# KiCad board SparkFun_BlueSMiRF-ESP32_panelized.kicad_pcb (continued)
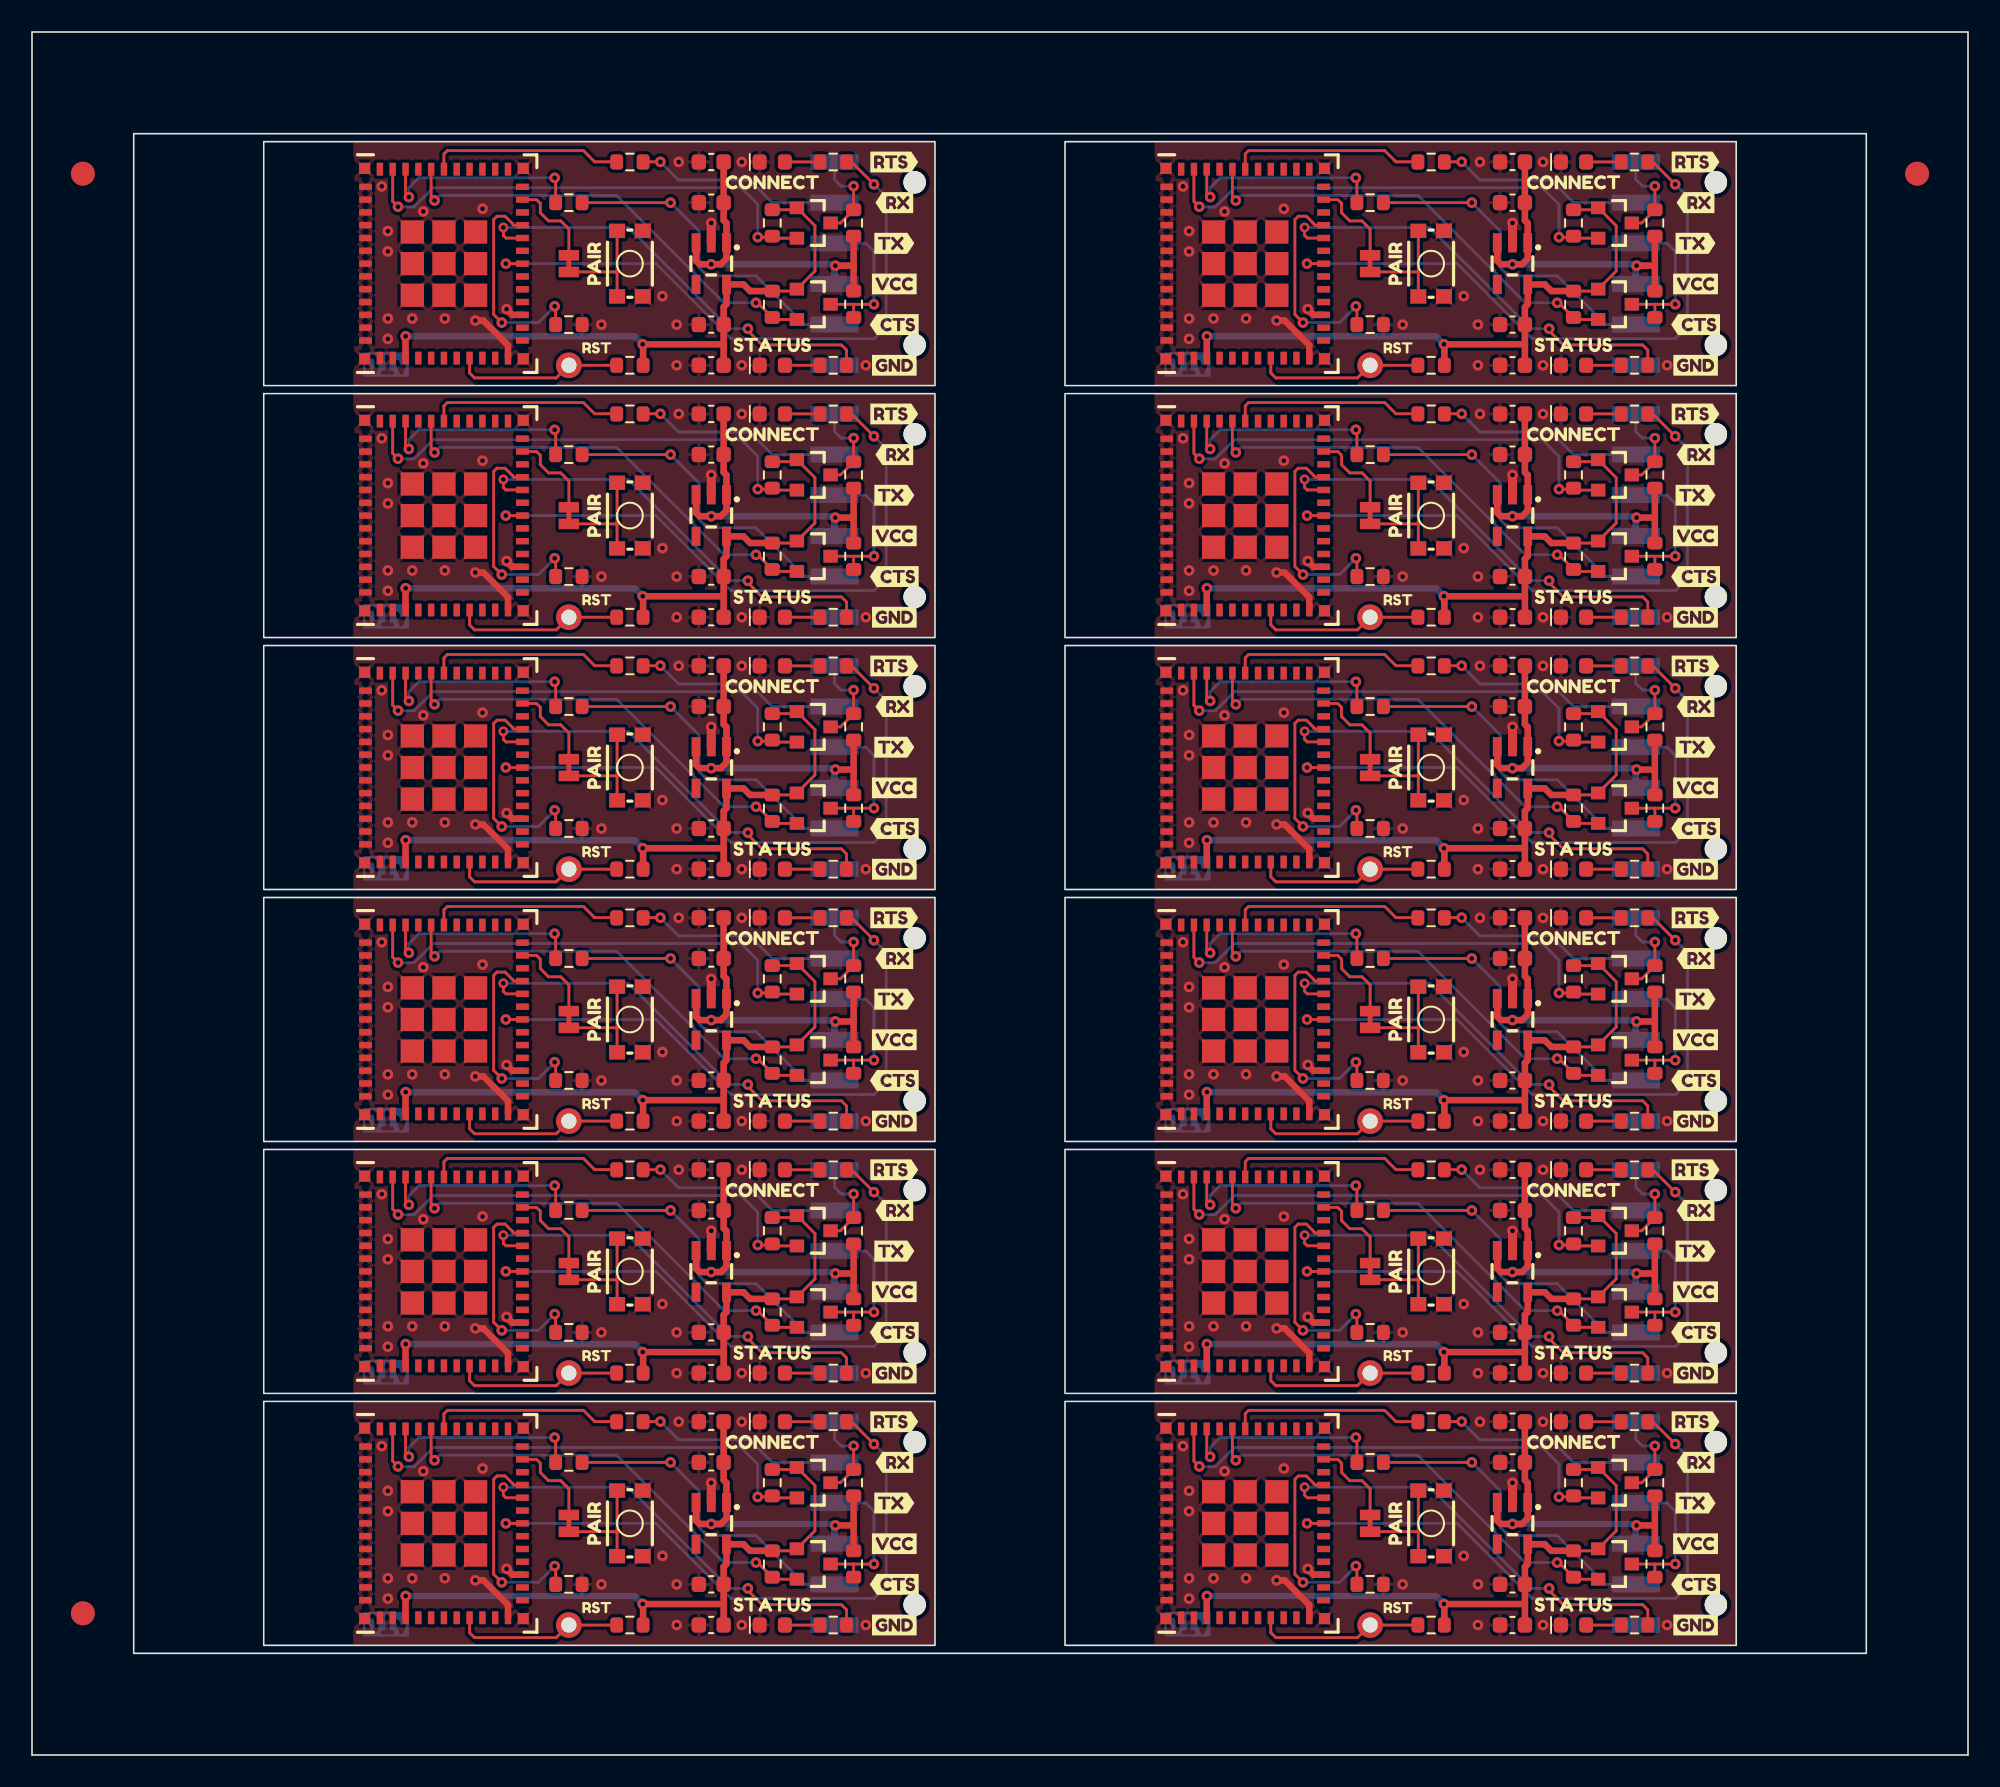
[diagram p0: board, top side]
## Placement (name value [footprint] x y rotation side) (continued)
kibuzzard-64C48496#12  G***  [kibuzzard-64C48496]  53.84 96.98 0 top
kibuzzard-64C48505  G***  [kibuzzard-64C48505]  47.2 15.71 180 bottom
kibuzzard-64C48505#2  G***  [kibuzzard-64C48505]  97.23 31.45 180 bottom
kibuzzard-64C48505#3  G***  [kibuzzard-64C48505]  47.2 47.19 180 bottom
kibuzzard-64C48505#4  G***  [kibuzzard-64C48505]  47.2 78.67 180 bottom
kibuzzard-64C48505#5  G***  [kibuzzard-64C48505]  47.2 31.45 180 bottom
kibuzzard-64C48505#6  G***  [kibuzzard-64C48505]  47.2 62.93 180 bottom
kibuzzard-64C48505#7  G***  [kibuzzard-64C48505]  47.2 94.41 180 bottom
kibuzzard-64C48505#8  G***  [kibuzzard-64C48505]  97.23 15.71 180 bottom
kibuzzard-64C48505#9  G***  [kibuzzard-64C48505]  97.23 78.67 180 bottom
kibuzzard-64C48505#10  G***  [kibuzzard-64C48505]  97.23 94.41 180 bottom
kibuzzard-64C48505#11  G***  [kibuzzard-64C48505]  97.23 47.19 180 bottom
kibuzzard-64C48505#12  G***  [kibuzzard-64C48505]  97.23 62.93 180 bottom
NOREF  -  [Fiducial_1.5mm_Mask3mm]  3.18 8.85 0 top
NOREF#2  -  [Fiducial_1.5mm_Mask3mm]  3.18 98.79 0 top
NOREF#3  -  [Fiducial_1.5mm_Mask3mm]  117.71 98.79 0 top
Q1  Q_NMOS_DGS  [SOT23-3]  48.76 11.93 0 top
Q1#2  Q_NMOS_DGS  [SOT23-3]  98.79 59.15 0 top
Q1#3  Q_NMOS_DGS  [SOT23-3]  48.76 59.15 0 top
Q1#4  Q_NMOS_DGS  [SOT23-3]  98.79 27.67 0 top
Q1#5  Q_NMOS_DGS  [SOT23-3]  98.79 11.93 0 top
Q1#6  Q_NMOS_DGS  [SOT23-3]  48.76 27.67 0 top
Q1#7  Q_NMOS_DGS  [SOT23-3]  48.76 74.89 0 top
Q1#8  Q_NMOS_DGS  [SOT23-3]  98.79 43.41 0 top
Q1#9  Q_NMOS_DGS  [SOT23-3]  98.79 90.63 0 top
Q1#10  Q_NMOS_DGS  [SOT23-3]  48.76 43.41 0 top
Q1#11  Q_NMOS_DGS  [SOT23-3]  48.76 90.63 0 top
Q1#12  Q_NMOS_DGS  [SOT23-3]  98.79 74.89 0 top
Q2  Q_NMOS_DGS  [SOT23-3]  98.79 17.01 0 top
Q2#2  Q_NMOS_DGS  [SOT23-3]  98.79 79.97 0 top
Q2#3  Q_NMOS_DGS  [SOT23-3]  98.79 32.75 0 top
Q2#4  Q_NMOS_DGS  [SOT23-3]  98.79 95.71 0 top
Q2#5  Q_NMOS_DGS  [SOT23-3]  98.79 48.49 0 top
Q2#6  Q_NMOS_DGS  [SOT23-3]  48.76 64.23 0 top
Q2#7  Q_NMOS_DGS  [SOT23-3]  48.76 79.97 0 top
Q2#8  Q_NMOS_DGS  [SOT23-3]  48.76 95.71 0 top
Q2#9  Q_NMOS_DGS  [SOT23-3]  98.79 64.23 0 top
Q2#10  Q_NMOS_DGS  [SOT23-3]  48.76 17.01 0 top
Q2#11  Q_NMOS_DGS  [SOT23-3]  48.76 32.75 0 top
Q2#12  Q_NMOS_DGS  [SOT23-3]  48.76 48.49 0 top
R1  10k  [R_0603_1608Metric]  37.33 8.12 180 top
R1#2  10k  [R_0603_1608Metric]  37.33 39.6 180 top
R1#3  10k  [R_0603_1608Metric]  37.33 71.08 180 top
R1#4  10k  [R_0603_1608Metric]  87.36 8.12 180 top
R1#5  10k  [R_0603_1608Metric]  37.33 55.34 180 top
R1#6  10k  [R_0603_1608Metric]  87.36 23.86 180 top
R1#7  10k  [R_0603_1608Metric]  37.33 23.86 180 top
R1#8  10k  [R_0603_1608Metric]  87.36 39.6 180 top
R1#9  10k  [R_0603_1608Metric]  37.33 86.82 180 top
R1#10  10k  [R_0603_1608Metric]  87.36 55.34 180 top
R1#11  10k  [R_0603_1608Metric]  87.36 86.82 180 top
R1#12  10k  [R_0603_1608Metric]  87.36 71.08 180 top
R2  1k  [R_0603_1608Metric]  100.06 83.78 180 top
R2#2  1k  [R_0603_1608Metric]  50.03 20.82 180 top
R2#3  1k  [R_0603_1608Metric]  100.06 52.3 180 top
R2#4  1k  [R_0603_1608Metric]  50.03 52.3 180 top
R2#5  1k  [R_0603_1608Metric]  50.03 99.52 180 top
R2#6  1k  [R_0603_1608Metric]  100.06 20.82 180 top
R2#7  1k  [R_0603_1608Metric]  100.06 68.04 180 top
R2#8  1k  [R_0603_1608Metric]  50.03 36.56 180 top
R2#9  1k  [R_0603_1608Metric]  100.06 36.56 180 top
R2#10  1k  [R_0603_1608Metric]  50.03 83.78 180 top
R2#11  1k  [R_0603_1608Metric]  100.06 99.52 180 top
R2#12  1k  [R_0603_1608Metric]  50.03 68.04 180 top
R3  1k  [R_0603_1608Metric]  100.06 55.34 180 top
R3#2  1k  [R_0603_1608Metric]  50.03 86.82 180 top
R3#3  1k  [R_0603_1608Metric]  50.03 55.34 180 top
R3#4  1k  [R_0603_1608Metric]  100.06 86.82 180 top
R3#5  1k  [R_0603_1608Metric]  50.03 71.08 180 top
R3#6  1k  [R_0603_1608Metric]  100.06 39.6 180 top
R3#7  1k  [R_0603_1608Metric]  100.06 8.12 180 top
R3#8  1k  [R_0603_1608Metric]  50.03 23.86 180 top
R3#9  1k  [R_0603_1608Metric]  50.03 39.6 180 top
R3#10  1k  [R_0603_1608Metric]  100.06 23.86 180 top
R3#11  1k  [R_0603_1608Metric]  100.06 71.08 180 top
R3#12  1k  [R_0603_1608Metric]  50.03 8.12 180 top
R4  10k  [R_0603_1608Metric]  51.3 11.93 270 top
R4#2  10k  [R_0603_1608Metric]  51.3 59.15 270 top
R4#3  10k  [R_0603_1608Metric]  51.3 27.67 270 top
R4#4  10k  [R_0603_1608Metric]  51.3 43.41 270 top
R4#5  10k  [R_0603_1608Metric]  101.33 43.41 270 top
R4#6  10k  [R_0603_1608Metric]  101.33 11.93 270 top
R4#7  10k  [R_0603_1608Metric]  101.33 90.63 270 top
R4#8  10k  [R_0603_1608Metric]  51.3 90.63 270 top
R4#9  10k  [R_0603_1608Metric]  101.33 74.89 270 top
R4#10  10k  [R_0603_1608Metric]  101.33 59.15 270 top
R4#11  10k  [R_0603_1608Metric]  51.3 74.89 270 top
R4#12  10k  [R_0603_1608Metric]  101.33 27.67 270 top
R5  10k  [R_0603_1608Metric]  96.25 11.93 270 top
R5#2  10k  [R_0603_1608Metric]  96.25 43.41 270 top
R5#3  10k  [R_0603_1608Metric]  96.25 90.63 270 top
R5#4  10k  [R_0603_1608Metric]  46.22 59.15 270 top
R5#5  10k  [R_0603_1608Metric]  46.22 43.41 270 top
R5#6  10k  [R_0603_1608Metric]  46.22 90.63 270 top
R5#7  10k  [R_0603_1608Metric]  46.22 74.89 270 top
R5#8  10k  [R_0603_1608Metric]  96.25 74.89 270 top
R5#9  10k  [R_0603_1608Metric]  96.25 59.15 270 top
R5#10  10k  [R_0603_1608Metric]  46.22 27.67 270 top
R5#11  10k  [R_0603_1608Metric]  96.25 27.67 270 top
R5#12  10k  [R_0603_1608Metric]  46.22 11.93 270 top
R6  10k  [R_0603_1608Metric]  46.22 17.01 270 top
R6#2  10k  [R_0603_1608Metric]  96.25 64.23 270 top
R6#3  10k  [R_0603_1608Metric]  96.25 79.97 270 top
R6#4  10k  [R_0603_1608Metric]  96.25 95.71 270 top
R6#5  10k  [R_0603_1608Metric]  46.22 64.23 270 top
R6#6  10k  [R_0603_1608Metric]  96.25 48.49 270 top
R6#7  10k  [R_0603_1608Metric]  46.22 32.75 270 top
R6#8  10k  [R_0603_1608Metric]  46.22 48.49 270 top
R6#9  10k  [R_0603_1608Metric]  46.22 79.97 270 top
R6#10  10k  [R_0603_1608Metric]  46.22 95.71 270 top
R6#11  10k  [R_0603_1608Metric]  96.25 17.01 270 top
R6#12  10k  [R_0603_1608Metric]  96.25 32.75 270 top
R7  10k  [R_0603_1608Metric]  51.3 17.01 90 top
R7#2  10k  [R_0603_1608Metric]  51.3 79.97 90 top
R7#3  10k  [R_0603_1608Metric]  101.33 48.49 90 top
R7#4  10k  [R_0603_1608Metric]  51.3 32.75 90 top
R7#5  10k  [R_0603_1608Metric]  51.3 64.23 90 top
R7#6  10k  [R_0603_1608Metric]  101.33 32.75 90 top
R7#7  10k  [R_0603_1608Metric]  51.3 48.49 90 top
R7#8  10k  [R_0603_1608Metric]  51.3 95.71 90 top
R7#9  10k  [R_0603_1608Metric]  101.33 17.01 90 top
R7#10  10k  [R_0603_1608Metric]  101.33 95.71 90 top
R7#11  10k  [R_0603_1608Metric]  101.33 79.97 90 top
R7#12  10k  [R_0603_1608Metric]  101.33 64.23 90 top
R8  1k  [R_0603_1608Metric]  37.33 20.82 0 top
R8#2  1k  [R_0603_1608Metric]  87.36 99.52 0 top
R8#3  1k  [R_0603_1608Metric]  37.33 52.3 0 top
R8#4  1k  [R_0603_1608Metric]  37.33 68.04 0 top
R8#5  1k  [R_0603_1608Metric]  87.36 52.3 0 top
R8#6  1k  [R_0603_1608Metric]  87.36 83.78 0 top
R8#7  1k  [R_0603_1608Metric]  37.33 36.56 0 top
R8#8  1k  [R_0603_1608Metric]  37.33 99.52 0 top
R8#9  1k  [R_0603_1608Metric]  87.36 68.04 0 top
R8#10  1k  [R_0603_1608Metric]  37.33 83.78 0 top
R8#11  1k  [R_0603_1608Metric]  87.36 20.82 0 top
R8#12  1k  [R_0603_1608Metric]  87.36 36.56 0 top
R9  1k  [R_0603_1608Metric]  33.52 18.28 0 top
R9#2  1k  [R_0603_1608Metric]  33.52 49.76 0 top
R9#3  1k  [R_0603_1608Metric]  83.55 65.5 0 top
R9#4  1k  [R_0603_1608Metric]  33.52 34.02 0 top
R9#5  1k  [R_0603_1608Metric]  83.55 49.76 0 top
R9#6  1k  [R_0603_1608Metric]  33.52 96.98 0 top
R9#7  1k  [R_0603_1608Metric]  83.55 18.28 0 top
R9#8  1k  [R_0603_1608Metric]  33.52 81.24 0 top
R9#9  1k  [R_0603_1608Metric]  83.55 34.02 0 top
R9#10  1k  [R_0603_1608Metric]  83.55 81.24 0 top
R9#11  1k  [R_0603_1608Metric]  33.52 65.5 0 top
R9#12  1k  [R_0603_1608Metric]  83.55 96.98 0 top
R10  1k  [R_0603_1608Metric]  33.52 10.66 0 top
R10#2  1k  [R_0603_1608Metric]  83.55 26.4 0 top
R10#3  1k  [R_0603_1608Metric]  83.55 10.66 0 top
R10#4  1k  [R_0603_1608Metric]  83.55 89.36 0 top
R10#5  1k  [R_0603_1608Metric]  33.52 89.36 0 top
R10#6  1k  [R_0603_1608Metric]  33.52 42.14 0 top
R10#7  1k  [R_0603_1608Metric]  33.52 73.62 0 top
R10#8  1k  [R_0603_1608Metric]  33.52 26.4 0 top
R10#9  1k  [R_0603_1608Metric]  33.52 57.88 0 top
R10#10  1k  [R_0603_1608Metric]  83.55 42.14 0 top
R10#11  1k  [R_0603_1608Metric]  83.55 57.88 0 top
R10#12  1k  [R_0603_1608Metric]  83.55 73.62 0 top
SW1  Switch  [Momentary_SMD_4.6x2.8mm]  37.33 14.47 90 top
SW1#2  Switch  [Momentary_SMD_4.6x2.8mm]  37.33 61.69 90 top
SW1#3  Switch  [Momentary_SMD_4.6x2.8mm]  37.33 93.17 90 top
SW1#4  Switch  [Momentary_SMD_4.6x2.8mm]  37.33 45.95 90 top
SW1#5  Switch  [Momentary_SMD_4.6x2.8mm]  37.33 30.21 90 top
SW1#6  Switch  [Momentary_SMD_4.6x2.8mm]  37.33 77.43 90 top
SW1#7  Switch  [Momentary_SMD_4.6x2.8mm]  87.36 14.47 90 top
SW1#8  Switch  [Momentary_SMD_4.6x2.8mm]  87.36 30.21 90 top
SW1#9  Switch  [Momentary_SMD_4.6x2.8mm]  87.36 45.95 90 top
SW1#10  Switch  [Momentary_SMD_4.6x2.8mm]  87.36 93.17 90 top
SW1#11  Switch  [Momentary_SMD_4.6x2.8mm]  87.36 61.69 90 top
SW1#12  Switch  [Momentary_SMD_4.6x2.8mm]  87.36 77.43 90 top
TP1  TestPoint  [1X01]  33.52 39.6 90 top
TP1#2  TestPoint  [1X01]  83.55 39.6 90 top
TP1#3  TestPoint  [1X01]  83.55 71.08 90 top
TP1#4  TestPoint  [1X01]  33.52 23.86 90 top
TP1#5  TestPoint  [1X01]  33.52 55.34 90 top
TP1#6  TestPoint  [1X01]  83.55 8.12 90 top
TP1#7  TestPoint  [1X01]  33.52 71.08 90 top
TP1#8  TestPoint  [1X01]  33.52 86.82 90 top
TP1#9  TestPoint  [1X01]  83.55 23.86 90 top
TP1#10  TestPoint  [1X01]  83.55 55.34 90 top
TP1#11  TestPoint  [1X01]  83.55 86.82 90 top
TP1#12  TestPoint  [1X01]  33.52 8.12 90 top
U1  ESP32_Pico_Mini  [ESP32-MINI]  25.72 14.47 90 top
U1#2  ESP32_Pico_Mini  [ESP32-MINI]  25.72 77.43 90 top
U1#3  ESP32_Pico_Mini  [ESP32-MINI]  75.75 61.69 90 top
U1#4  ESP32_Pico_Mini  [ESP32-MINI]  75.75 30.21 90 top
U1#5  ESP32_Pico_Mini  [ESP32-MINI]  75.75 45.95 90 top
U1#6  ESP32_Pico_Mini  [ESP32-MINI]  25.72 45.95 90 top
U1#7  ESP32_Pico_Mini  [ESP32-MINI]  25.72 61.69 90 top
U1#8  ESP32_Pico_Mini  [ESP32-MINI]  25.72 93.17 90 top
U1#9  ESP32_Pico_Mini  [ESP32-MINI]  25.72 30.21 90 top
U1#10  ESP32_Pico_Mini  [ESP32-MINI]  75.75 93.17 90 top
U1#11  ESP32_Pico_Mini  [ESP32-MINI]  75.75 14.47 90 top
U1#12  ESP32_Pico_Mini  [ESP32-MINI]  75.75 77.43 90 top
U2  AP2112K-3.3  [SOT23-5]  42.41 77.43 270 top
U2#2  AP2112K-3.3  [SOT23-5]  42.41 14.47 270 top
U2#3  AP2112K-3.3  [SOT23-5]  42.41 61.69 270 top
U2#4  AP2112K-3.3  [SOT23-5]  42.41 30.21 270 top
U2#5  AP2112K-3.3  [SOT23-5]  42.41 45.95 270 top
U2#6  AP2112K-3.3  [SOT23-5]  92.44 14.47 270 top
U2#7  AP2112K-3.3  [SOT23-5]  92.44 30.21 270 top
U2#8  AP2112K-3.3  [SOT23-5]  92.44 45.95 270 top
U2#9  AP2112K-3.3  [SOT23-5]  92.44 61.69 270 top
U2#10  AP2112K-3.3  [SOT23-5]  42.41 93.17 270 top
U2#11  AP2112K-3.3  [SOT23-5]  92.44 77.43 270 top
U2#12  AP2112K-3.3  [SOT23-5]  92.44 93.17 270 top
U3  ~  [Ordering_Instructions]  125.53 57.58 0 top

## Library data of the parts
C1 C1#2-C1#12 C5 C5#2-C5#12 = -: Description: Unpolarized capacitor; PROD_ID: CAP-11015; Tolerance: 20%; Voltage: 6.3V
C2 C2#2-C2#12 C3 C3#2-C3#12 = -: Description: Unpolarized capacitor; PROD_ID: CAP-13930; Tolerance: 10%; Voltage: 16V
D1 D1#2-D1#12 = -: Description: Light emitting diode; PROD_ID: DIO-00821
D2 D2#2-D2#12 = -: Description: Light emitting diode; PROD_ID: DIO-00819
J2 J2#2-J2#12 = -: Description: Generic connector, single row, 01x06, script generated (kicad-library-utils/schlib/autogen/connector/); PROD_ID: CONN-08971
JP1 JP1#2-JP1#12 = -: Description: Solder Jumper, 2-pole, closed/bridged
Q1 Q1#2-Q1#12 Q2 Q2#2-Q2#12 = -: Description: N-MOSFET transistor, drain/gate/source; PROD_ID: TRANS-00830
R1 R1#2-R1#12 R4 R4#2-R4#12 R5 R5#2-R5#12 R6 R6#2-R6#12 R7 R7#2-R7#12 = -: Description: Resistor; PROD_ID: RES-00824
R2 R2#2-R2#12 R3 R3#2-R3#12 R8 R8#2-R8#12 R9 R9#2-R9#12 R10 R10#2-R10#12 = -: Description: Resistor; PROD_ID: RES-07856
SW1 SW1#2-SW1#12 = -: Description: Single Pole Single Throw (SPST) switch; PROD_ID: SWCH-15606
TP1 TP1#2-TP1#12 = -: Description: test point
U1 U1#2-U1#12 = -: PROD_ID: IC-19692
U2 U2#2-U2#12 = -: Description: 600mA low dropout linear regulator, with enable pin, 3.8V-6V input voltage range, 3.3V fixed positive output, SOT-23-5; PROD_ID: VREG-12457

## Footprints (pads in the part's own frame, mm; a bottom-side part is the same pattern mirrored in y, then rotated)
1X01
  round 1.6 hole 0.95: 1(0,0)
1X06-SMD_RA_MALE
  round 1.4 hole 1.4 unplated: (-5.08,0) (5.08,0)
  rect 1x3 smd: 1(-6.35,5) 2(-3.81,5) 3(-1.27,5) 4(1.27,5) 5(3.81,5) 6(6.35,5)
C_0603_1608Metric
  rrect 0.9x0.95 smd: 1(-0.775,0) 2(0.775,0)
ESP32-MINI
  rect 0.8x0.4 smd: 1(-5.9,4) 2(-5.9,3.2) 3(-5.9,2.4) 4(-5.9,1.6) 5(-5.9,0.8) 6(-5.9,0) 7(-5.9,-0.8) 8(-5.9,-1.6) 9(-5.9,-2.4) 10(-5.9,-3.2) 11(-5.9,-4) 25(5.9,-4) 26(5.9,-3.2) 27(5.9,-2.4) 28(5.9,-1.6) 29(5.9,-0.8) 30(5.9,0) 31(5.9,0.8) 32(5.9,1.6) 33(5.9,2.4) 34(5.9,3.2) 35(5.9,4)
  rect 0.4x0.8 smd: 12(-4.8,-4.9) 13(-4,-4.9) 14(-3.2,-4.9) 15(-2.4,-4.9) 16(-1.6,-4.9) 17(-0.8,-4.9) 18(0,-4.9) 19(0.8,-4.9) 20(1.6,-4.9) 21(2.4,-4.9) 22(3.2,-4.9) 23(4,-4.9) 24(4.8,-4.9) 36(4.8,4.9) 37(4,4.9) 38(3.2,4.9) 39(2.4,4.9) 40(1.6,4.9) 41(0.8,4.9) 42(0,4.9) 43(-0.8,4.9) 44(-1.6,4.9) 45(-2.4,4.9) 46(-3.2,4.9) 47(-4,4.9) 48(-4.8,4.9)
  rect 1.45x1.45 smd: 49.1(-1.975,1.975) 49.2(-1.975,0) 49.3(-1.975,-1.975) 49.4(0,-1.975) 49.5(1.975,-1.975) 49.6(1.975,0) 49.7(1.975,1.975) 49.8(0,1.975) 49.9(0,0)
  rect 0.7x0.7 smd: 50(5.95,4.95) 51(5.95,-4.95) 52(-5.95,-4.95) 53(-5.95,4.95)
Fiducial_1.5mm_Mask3mm
  round 1.5 smd: (0,0)
LED_0603_1608Metric
  rrect 0.875x0.95 smd: 1(-0.787,0) 2(0.787,0)
Momentary_SMD_4.6x2.8mm
  rect 0.9x1 smd: 1(-2.05,0.8) 1(2.05,0.8) 2(-2.05,-0.8) 2(2.05,-0.8)
R_0603_1608Metric
  rrect 0.8x0.95 smd: 1(-0.825,0) 2(0.825,0)
SMT-JUMPER_2_NC_TRACE_NO-SILK
  rect 0.66x1.27 smd: 1(-0.521,0) 2(0.521,0)
SOT23-3
  rect 0.9x0.8 smd: 1(-1,0.95) 2(-1,-0.95) 3(1.1,0)
SOT23-5
  rect 1.2x0.55 smd: 1(-1.3,0.95) 2(-1.3,0) 3(-1.3,-0.95) 4(1.3,-0.95) 5(1.3,0.95)

## Nets
+3.3V: C2.1 C2#2.1 C2#3.1 C2#4.1 C2#5.1 C2#6.1 C2#7.1 C2#8.1 C2#9.1 C2#10.1 C2#11.1 C2#12.1 C5.1 C5#2.1 C5#3.1 C5#4.1 C5#5.1 C5#6.1 C5#7.1 C5#8.1 C5#9.1 C5#10.1 C5#11.1 C5#12.1 Q1.1 Q1#2.1 Q1#3.1 Q1#4.1 Q1#5.1 Q1#6.1 Q1#7.1 Q1#8.1 Q1#9.1 Q1#10.1 Q1#11.1 Q1#12.1 Q2.1 Q2#2.1 Q2#3.1 Q2#4.1 Q2#5.1 Q2#6.1 Q2#7.1 Q2#8.1 Q2#9.1 Q2#10.1 Q2#11.1 Q2#12.1 R1.1 R1#2.1 R1#3.1 R1#4.1 R1#5.1 R1#6.1 R1#7.1 R1#8.1 R1#9.1 R1#10.1 R1#11.1 R1#12.1 R5.1 R5#2.1 R5#3.1 R5#4.1 R5#5.1 R5#6.1 R5#7.1 R5#8.1 R5#9.1 R5#10.1 R5#11.1 R5#12.1 R6.1 R6#2.1 R6#3.1 R6#4.1 R6#5.1 R6#6.1 R6#7.1 R6#8.1 R6#9.1 R6#10.1 R6#11.1 R6#12.1 U1.3 U1#2.3 U1#3.3 U1#4.3 U1#5.3 U1#6.3 U1#7.3 U1#8.3 U1#9.3 U1#10.3 U1#11.3 U1#12.3 U2.5 U2#2.5 U2#3.5 U2#4.5 U2#5.5 U2#6.5 U2#7.5 U2#8.5 U2#9.5 U2#10.5 U2#11.5 U2#12.5
GND: C1.2 C1#2.2 C1#3.2 C1#4.2 C1#5.2 C1#6.2 C1#7.2 C1#8.2 C1#9.2 C1#10.2 C1#11.2 C1#12.2 C2.2 C2#2.2 C2#3.2 C2#4.2 C2#5.2 C2#6.2 C2#7.2 C2#8.2 C2#9.2 C2#10.2 C2#11.2 C2#12.2 C3.2 C3#2.2 C3#3.2 C3#4.2 C3#5.2 C3#6.2 C3#7.2 C3#8.2 C3#9.2 C3#10.2 C3#11.2 C3#12.2 C5.2 C5#2.2 C5#3.2 C5#4.2 C5#5.2 C5#6.2 C5#7.2 C5#8.2 C5#9.2 C5#10.2 C5#11.2 C5#12.2 D1.1 D1#2.1 D1#3.1 D1#4.1 D1#5.1 D1#6.1 D1#7.1 D1#8.1 D1#9.1 D1#10.1 D1#11.1 D1#12.1 D2.1 D2#2.1 D2#3.1 D2#4.1 D2#5.1 D2#6.1 D2#7.1 D2#8.1 D2#9.1 D2#10.1 D2#11.1 D2#12.1 J2.6 J2#2.6 J2#3.6 J2#4.6 J2#5.6 J2#6.6 J2#7.6 J2#8.6 J2#9.6 J2#10.6 J2#11.6 J2#12.6 R10.2 R10#2.2 R10#3.2 R10#4.2 R10#5.2 R10#6.2 R10#7.2 R10#8.2 R10#9.2 R10#10.2 R10#11.2 R10#12.2 SW1.2 SW1#2.2 SW1#3.2 SW1#4.2 SW1#5.2 SW1#6.2 SW1#7.2 SW1#8.2 SW1#9.2 SW1#10.2 SW1#11.2 SW1#12.2 U1.1 U1.2 U1.11 U1.14 U1.36 U1.37 U1.38 U1.39 U1.40 U1.41 U1.42 U1.43 U1.44 U1.45 U1.46 U1.47 U1.48 U1.49.1 U1.49.2 U1.49.3 U1.49.4 U1.49.5 U1.49.6 U1.49.7 U1.49.8 U1.49.9 U1.50 U1.51 U1.52 U1.53 U1#2.1 U1#2.2 U1#2.11 U1#2.14 U1#2.36 U1#2.37 U1#2.38 U1#2.39 U1#2.40 U1#2.41 U1#2.42 U1#2.43 U1#2.44 U1#2.45 U1#2.46 U1#2.47 U1#2.48 U1#2.49.1 U1#2.49.2 U1#2.49.3 U1#2.49.4 U1#2.49.5 U1#2.49.6 U1#2.49.7 U1#2.49.8 U1#2.49.9 U1#2.50 U1#2.51 U1#2.52 U1#2.53 U1#3.1 U1#3.2 U1#3.11 U1#3.14 U1#3.36 U1#3.37 U1#3.38 U1#3.39 U1#3.40 U1#3.41 U1#3.42 U1#3.43 U1#3.44 U1#3.45 U1#3.46 U1#3.47 U1#3.48 U1#3.49.1 U1#3.49.2 U1#3.49.3 U1#3.49.4 U1#3.49.5 U1#3.49.6 U1#3.49.7 U1#3.49.8 U1#3.49.9 U1#3.50 U1#3.51 U1#3.52 U1#3.53 U1#4.1 U1#4.2 U1#4.11 U1#4.14 U1#4.36 U1#4.37 U1#4.38 U1#4.39 U1#4.40 U1#4.41 U1#4.42 U1#4.43 U1#4.44 U1#4.45 U1#4.46 U1#4.47 U1#4.48 U1#4.49.1 U1#4.49.2 U1#4.49.3 U1#4.49.4 U1#4.49.5 U1#4.49.6 U1#4.49.7 U1#4.49.8 U1#4.49.9 U1#4.50 U1#4.51 U1#4.52 U1#4.53 U1#5.1 U1#5.2 U1#5.11 U1#5.14 U1#5.36 U1#5.37 U1#5.38 U1#5.39 U1#5.40 U1#5.41 U1#5.42 U1#5.43 U1#5.44 U1#5.45 U1#5.46 U1#5.47 U1#5.48 U1#5.49.1 U1#5.49.2 U1#5.49.3 U1#5.49.4 U1#5.49.5 U1#5.49.6 U1#5.49.7 U1#5.49.8 U1#5.49.9 U1#5.50 U1#5.51 U1#5.52 U1#5.53 U1#6.1 U1#6.2 U1#6.11 U1#6.14 U1#6.36 U1#6.37 U1#6.38 U1#6.39 U1#6.40 U1#6.41 U1#6.42 U1#6.43 U1#6.44 U1#6.45 U1#6.46 U1#6.47 U1#6.48 U1#6.49.1 U1#6.49.2 U1#6.49.3 U1#6.49.4 U1#6.49.5 U1#6.49.6 U1#6.49.7 U1#6.49.8 U1#6.49.9 U1#6.50 U1#6.51 U1#6.52 U1#6.53 U1#7.1 U1#7.2 U1#7.11 U1#7.14 U1#7.36 U1#7.37 U1#7.38 U1#7.39 U1#7.40 U1#7.41 U1#7.42 U1#7.43 U1#7.44 U1#7.45 U1#7.46 U1#7.47 U1#7.48 U1#7.49.1 U1#7.49.2 U1#7.49.3 U1#7.49.4 U1#7.49.5 U1#7.49.6 U1#7.49.7 U1#7.49.8 U1#7.49.9 U1#7.50 U1#7.51 U1#7.52 U1#7.53 U1#8.1 U1#8.2 U1#8.11 U1#8.14 U1#8.36 U1#8.37 U1#8.38 U1#8.39 U1#8.40 U1#8.41 U1#8.42 U1#8.43 U1#8.44 U1#8.45 U1#8.46 U1#8.47 U1#8.48 U1#8.49.1 U1#8.49.2 U1#8.49.3 U1#8.49.4 U1#8.49.5 U1#8.49.6 U1#8.49.7 U1#8.49.8 U1#8.49.9 U1#8.50 U1#8.51 U1#8.52 U1#8.53 U1#9.1 U1#9.2 U1#9.11 U1#9.14 U1#9.36 U1#9.37 U1#9.38 U1#9.39 U1#9.40 U1#9.41 U1#9.42 U1#9.43 U1#9.44 U1#9.45 U1#9.46 U1#9.47 U1#9.48 U1#9.49.1 U1#9.49.2 U1#9.49.3 U1#9.49.4 U1#9.49.5 U1#9.49.6 U1#9.49.7 U1#9.49.8 U1#9.49.9 U1#9.50 U1#9.51 U1#9.52 U1#9.53 U1#10.1 U1#10.2 U1#10.11 U1#10.14 U1#10.36 U1#10.37 U1#10.38 U1#10.39 U1#10.40 U1#10.41 U1#10.42 U1#10.43 U1#10.44 U1#10.45 U1#10.46 U1#10.47 U1#10.48 U1#10.49.1 U1#10.49.2 U1#10.49.3 U1#10.49.4 U1#10.49.5 U1#10.49.6 U1#10.49.7 U1#10.49.8 U1#10.49.9 U1#10.50 U1#10.51 U1#10.52 U1#10.53 U1#11.1 U1#11.2 U1#11.11 U1#11.14 U1#11.36 U1#11.37 U1#11.38 U1#11.39 U1#11.40 U1#11.41 U1#11.42 U1#11.43 U1#11.44 U1#11.45 U1#11.46 U1#11.47 U1#11.48 U1#11.49.1 U1#11.49.2 U1#11.49.3 U1#11.49.4 U1#11.49.5 U1#11.49.6 U1#11.49.7 U1#11.49.8 U1#11.49.9 U1#11.50 U1#11.51 U1#11.52 U1#11.53 U1#12.1 U1#12.2 U1#12.11 U1#12.14 U1#12.36 U1#12.37 U1#12.38 U1#12.39 U1#12.40 U1#12.41 U1#12.42 U1#12.43 U1#12.44 U1#12.45 U1#12.46 U1#12.47 U1#12.48 U1#12.49.1 U1#12.49.2 U1#12.49.3 U1#12.49.4 U1#12.49.5 U1#12.49.6 U1#12.49.7 U1#12.49.8 U1#12.49.9 U1#12.50 U1#12.51 U1#12.52 U1#12.53 U2.2 U2#2.2 U2#3.2 U2#4.2 U2#5.2 U2#6.2 U2#7.2 U2#8.2 U2#9.2 U2#10.2 U2#11.2 U2#12.2
VCC: C1.1 C1#2.1 C1#3.1 C1#4.1 C1#5.1 C1#6.1 C1#7.1 C1#8.1 C1#9.1 C1#10.1 C1#11.1 C1#12.1 C3.1 C3#2.1 C3#3.1 C3#4.1 C3#5.1 C3#6.1 C3#7.1 C3#8.1 C3#9.1 C3#10.1 C3#11.1 C3#12.1 J2.4 J2#2.4 J2#3.4 J2#4.4 J2#5.4 J2#6.4 J2#7.4 J2#8.4 J2#9.4 J2#10.4 J2#11.4 J2#12.4 R4.1 R4#2.1 R4#3.1 R4#4.1 R4#5.1 R4#6.1 R4#7.1 R4#8.1 R4#9.1 R4#10.1 R4#11.1 R4#12.1 R7.1 R7#2.1 R7#3.1 R7#4.1 R7#5.1 R7#6.1 R7#7.1 R7#8.1 R7#9.1 R7#10.1 R7#11.1 R7#12.1 U2.1 U2.3 U2#2.1 U2#2.3 U2#3.1 U2#3.3 U2#4.1 U2#4.3 U2#5.1 U2#5.3 U2#6.1 U2#6.3 U2#7.1 U2#7.3 U2#8.1 U2#8.3 U2#9.1 U2#9.3 U2#10.1 U2#10.3 U2#11.1 U2#11.3 U2#12.1 U2#12.3
/Connect: R2.1 R2#2.1 R2#3.1 R2#4.1 R2#5.1 R2#6.1 R2#7.1 R2#8.1 R2#9.1 R2#10.1 R2#11.1 R2#12.1 U1.18 U1#2.18 U1#3.18 U1#4.18 U1#5.18 U1#6.18 U1#7.18 U1#8.18 U1#9.18 U1#10.18 U1#11.18 U1#12.18
/Status: R3.1 R3#2.1 R3#3.1 R3#4.1 R3#5.1 R3#6.1 R3#7.1 R3#8.1 R3#9.1 R3#10.1 R3#11.1 R3#12.1 U1.20 U1#2.20 U1#3.20 U1#4.20 U1#5.20 U1#6.20 U1#7.20 U1#8.20 U1#9.20 U1#10.20 U1#11.20 U1#12.20
CTS_HV: J2.5 J2#2.5 J2#3.5 J2#4.5 J2#5.5 J2#6.5 J2#7.5 J2#8.5 J2#9.5 J2#10.5 J2#11.5 J2#12.5 R9.2 R9#2.2 R9#3.2 R9#4.2 R9#5.2 R9#6.2 R9#7.2 R9#8.2 R9#9.2 R9#10.2 R9#11.2 R9#12.2
CTS_LV: R9.1 R9#2.1 R9#3.1 R9#4.1 R9#5.1 R9#6.1 R9#7.1 R9#8.1 R9#9.1 R9#10.1 R9#11.1 R9#12.1 U1.33 U1#2.33 U1#3.33 U1#4.33 U1#5.33 U1#6.33 U1#7.33 U1#8.33 U1#9.33 U1#10.33 U1#11.33 U1#12.33
PAIR: JP1.2 JP1#2.2 JP1#3.2 JP1#4.2 JP1#5.2 JP1#6.2 JP1#7.2 JP1#8.2 JP1#9.2 JP1#10.2 JP1#11.2 JP1#12.2 U1.23 U1#2.23 U1#3.23 U1#4.23 U1#5.23 U1#6.23 U1#7.23 U1#8.23 U1#9.23 U1#10.23 U1#11.23 U1#12.23
RTS_HV: J2.1 J2#2.1 J2#3.1 J2#4.1 J2#5.1 J2#6.1 J2#7.1 J2#8.1 J2#9.1 J2#10.1 J2#11.1 J2#12.1 Q2.3 Q2#2.3 Q2#3.3 Q2#4.3 Q2#5.3 Q2#6.3 Q2#7.3 Q2#8.3 Q2#9.3 Q2#10.3 Q2#11.3 Q2#12.3 R7.2 R7#2.2 R7#3.2 R7#4.2 R7#5.2 R7#6.2 R7#7.2 R7#8.2 R7#9.2 R7#10.2 R7#11.2 R7#12.2
RTS_LV: Q2.2 Q2#2.2 Q2#3.2 Q2#4.2 Q2#5.2 Q2#6.2 Q2#7.2 Q2#8.2 Q2#9.2 Q2#10.2 Q2#11.2 Q2#12.2 R6.2 R6#2.2 R6#3.2 R6#4.2 R6#5.2 R6#6.2 R6#7.2 R6#8.2 R6#9.2 R6#10.2 R6#11.2 R6#12.2 U1.34 U1#2.34 U1#3.34 U1#4.34 U1#5.34 U1#6.34 U1#7.34 U1#8.34 U1#9.34 U1#10.34 U1#11.34 U1#12.34
RX_HV: J2.2 J2#2.2 J2#3.2 J2#4.2 J2#5.2 J2#6.2 J2#7.2 J2#8.2 J2#9.2 J2#10.2 J2#11.2 J2#12.2 R8.2 R8#2.2 R8#3.2 R8#4.2 R8#5.2 R8#6.2 R8#7.2 R8#8.2 R8#9.2 R8#10.2 R8#11.2 R8#12.2
RX_LV: R8.1 R8#2.1 R8#3.1 R8#4.1 R8#5.1 R8#6.1 R8#7.1 R8#8.1 R8#9.1 R8#10.1 R8#11.1 R8#12.1 U1.30 U1#2.30 U1#3.30 U1#4.30 U1#5.30 U1#6.30 U1#7.30 U1#8.30 U1#9.30 U1#10.30 U1#11.30 U1#12.30
TX_HV: J2.3 J2#2.3 J2#3.3 J2#4.3 J2#5.3 J2#6.3 J2#7.3 J2#8.3 J2#9.3 J2#10.3 J2#11.3 J2#12.3 Q1.3 Q1#2.3 Q1#3.3 Q1#4.3 Q1#5.3 Q1#6.3 Q1#7.3 Q1#8.3 Q1#9.3 Q1#10.3 Q1#11.3 Q1#12.3 R4.2 R4#2.2 R4#3.2 R4#4.2 R4#5.2 R4#6.2 R4#7.2 R4#8.2 R4#9.2 R4#10.2 R4#11.2 R4#12.2
TX_LV: Q1.2 Q1#2.2 Q1#3.2 Q1#4.2 Q1#5.2 Q1#6.2 Q1#7.2 Q1#8.2 Q1#9.2 Q1#10.2 Q1#11.2 Q1#12.2 R5.2 R5#2.2 R5#3.2 R5#4.2 R5#5.2 R5#6.2 R5#7.2 R5#8.2 R5#9.2 R5#10.2 R5#11.2 R5#12.2 U1.31 U1#2.31 U1#3.31 U1#4.31 U1#5.31 U1#6.31 U1#7.31 U1#8.31 U1#9.31 U1#10.31 U1#11.31 U1#12.31
Net-(D1-A): D1.2 D1#2.2 D1#3.2 D1#4.2 D1#5.2 D1#6.2 D1#7.2 D1#8.2 D1#9.2 D1#10.2 D1#11.2 D1#12.2 R2.2 R2#2.2 R2#3.2 R2#4.2 R2#5.2 R2#6.2 R2#7.2 R2#8.2 R2#9.2 R2#10.2 R2#11.2 R2#12.2
Net-(D2-A): D2.2 D2#2.2 D2#3.2 D2#4.2 D2#5.2 D2#6.2 D2#7.2 D2#8.2 D2#9.2 D2#10.2 D2#11.2 D2#12.2 R3.2 R3#2.2 R3#3.2 R3#4.2 R3#5.2 R3#6.2 R3#7.2 R3#8.2 R3#9.2 R3#10.2 R3#11.2 R3#12.2
Net-(JP1-A): JP1.1 JP1#2.1 JP1#3.1 JP1#4.1 JP1#5.1 JP1#6.1 JP1#7.1 JP1#8.1 JP1#9.1 JP1#10.1 JP1#11.1 JP1#12.1 SW1.1 SW1#2.1 SW1#3.1 SW1#4.1 SW1#5.1 SW1#6.1 SW1#7.1 SW1#8.1 SW1#9.1 SW1#10.1 SW1#11.1 SW1#12.1
Net-(U1-EN): R1.2 R1#2.2 R1#3.2 R1#4.2 R1#5.2 R1#6.2 R1#7.2 R1#8.2 R1#9.2 R1#10.2 R1#11.2 R1#12.2 TP1.1 TP1#2.1 TP1#3.1 TP1#4.1 TP1#5.1 TP1#6.1 TP1#7.1 TP1#8.1 TP1#9.1 TP1#10.1 TP1#11.1 TP1#12.1 U1.8 U1#2.8 U1#3.8 U1#4.8 U1#5.8 U1#6.8 U1#7.8 U1#8.8 U1#9.8 U1#10.8 U1#11.8 U1#12.8
Net-(U1-IO15): R10.1 R10#2.1 R10#3.1 R10#4.1 R10#5.1 R10#6.1 R10#7.1 R10#8.1 R10#9.1 R10#10.1 R10#11.1 R10#12.1 U1.21 U1#2.21 U1#3.21 U1#4.21 U1#5.21 U1#6.21 U1#7.21 U1#8.21 U1#9.21 U1#10.21 U1#11.21 U1#12.21

Pads without a net: U1 4 5 6 7 9 10 12 13 15 16 17 19 22 24 25 26 27 28 29 32 35; U1#2 4 5 6 7 9 10 12 13 15 16 17 19 22 24 25 26 27 28 29 32 35; U1#3 4 5 6 7 9 10 12 13 15 16 17 19 22 24 25 26 27 28 29 32 35; U1#4 4 5 6 7 9 10 12 13 15 16 17 19 22 24 25 26 27 28 29 32 35; U1#5 4 5 6 7 9 10 12 13 15 16 17 19 22 24 25 26 27 28 29 32 35; U1#6 4 5 6 7 9 10 12 13 15 16 17 19 22 24 25 26 27 28 29 32 35; U1#7 4 5 6 7 9 10 12 13 15 16 17 19 22 24 25 26 27 28 29 32 35; U1#8 4 5 6 7 9 10 12 13 15 16 17 19 22 24 25 26 27 28 29 32 35; U1#9 4 5 6 7 9 10 12 13 15 16 17 19 22 24 25 26 27 28 29 32 35; U1#10 4 5 6 7 9 10 12 13 15 16 17 19 22 24 25 26 27 28 29 32 35; U1#11 4 5 6 7 9 10 12 13 15 16 17 19 22 24 25 26 27 28 29 32 35; U1#12 4 5 6 7 9 10 12 13 15 16 17 19 22 24 25 26 27 28 29 32 35; U2 4; U2#2 4; U2#3 4; U2#4 4; U2#5 4; U2#6 4; U2#7 4; U2#8 4; U2#9 4; U2#10 4; U2#11 4; U2#12 4

## Via types
v1: diameter 0.66, hole 0.305, Top to Bottom, 468 vias
v2: diameter 0.61, hole 0.305, Top to Bottom, 12 vias

## Routing (per net, layer and track width the routed paths; a pad name or vN(x,y) marks a point on that pad's centre or on a via; arc(x,y) is an arc through that point)
+3.3V: length 481.2
  Top w0.178: R5#4.1 47.64,59.98 Q1#3.1 48.89,61.23 48.89,64.05 Q2#6.1 47.64,65.06 R6#5.1 ; R6#8.1 47.64,49.32 Q2#12.1 48.89,48.31 48.89,45.49 Q1#10.1 47.64,44.24 R5#5.1 ; R5#11.1 97.67,28.5 Q1#4.1 98.92,29.75 98.92,32.57 Q2#3.1 97.67,33.58 R6#12.1 ; 96.25,96.53 97.67,96.53 Q2#4.1 98.92,95.53 98.92,92.71 Q1#9.1 97.67,91.46 96.25,91.46 ; R5#7.1 47.64,75.72 Q1#7.1 48.89,76.97 48.89,79.79 Q2#7.1 47.64,80.8 R6#9.1 ; R6#3.1 97.67,80.8 Q2#2.1 98.92,79.79 98.92,76.97 Q1#12.1 97.67,75.72 R5#8.1 ; R6#11.1 97.67,17.84 Q2.1 98.92,16.83 98.92,14.01 Q1#5.1 97.67,12.76 R5.1 ; R5#9.1 97.67,59.98 Q1#2.1 98.92,61.23 98.92,64.05 Q2#9.1 97.67,65.06 R6#2.1 ; R6#7.1 47.64,33.58 Q2#11.1 48.89,32.57 48.89,29.75 Q1#6.1 47.64,28.5 R5#10.1 ; 46.22,91.46 47.64,91.46 Q1#11.1 48.89,92.71 48.89,95.53 Q2#8.1 47.64,96.53 46.22,96.53 ; R5#2.1 97.67,44.24 Q1#8.1 98.92,45.49 98.92,48.31 Q2#5.1 97.67,49.32 R6#6.1 ; R6.1 47.64,17.84 Q2#10.1 48.89,16.83 48.89,14.01 Q1.1 47.64,12.76 R5#12.1
  Top w0.406: U1#6.3 23.32,41.4 v1(23.33,41.41) ; v1(73.36,25.67) 73.35,25.66 U1#4.3 ; C2#3.1 93.22,72.39 ; 93.22,72.39 C5.1 93.22,74.71 93.39,74.89 U2#11.5 94.46,76.13 94.87,75.72 R5#8.1 ; 93.22,72.39 v1(88.16,72.39) 88.19,72.37 R1#12.1 ; C2#10.1 43.19,25.17 ; 43.19,25.17 v1(38.13,25.17) 38.16,25.15 R1#7.1 ; 43.19,25.17 C5#2.1 43.19,27.49 43.36,27.67 U2#4.5 44.43,28.91 44.84,28.5 R5#10.1 ; v1(23.33,25.67) 23.32,25.66 U1#9.3 ; 96.25,91.46 94.87,91.46 94.46,91.87 U2#12.5 93.39,90.63 93.22,90.45 C5#7.1 93.22,88.13 ; C2#9.1 93.22,56.65 ; 93.22,56.65 v1(88.16,56.65) 88.19,56.62 R1#10.1 ; 93.22,56.65 C5#9.1 93.22,58.97 93.39,59.15 U2#9.5 94.46,60.39 94.87,59.98 R5#9.1 ; 93.22,9.43 C5#8.1 93.22,11.75 93.39,11.93 U2#6.5 94.46,13.17 94.87,12.76 R5.1 ; 93.22,9.43 v1(88.16,9.43) 88.19,9.41 R1#4.1 ; 93.22,9.43 C2#5.1 ; U1#3.3 73.35,57.14 v1(73.36,57.15) ; 93.22,88.13 v1(88.16,88.13) 88.19,88.11 R1#11.1 ; 93.22,88.13 C2#12.1 ; C2#4.1 43.19,56.65 ; 43.19,56.65 v1(38.13,56.65) 38.16,56.62 R1#5.1 ; 43.19,56.65 C5#11.1 43.19,58.97 43.36,59.15 U2#3.5 44.43,60.39 44.84,59.98 R5#4.1 ; v1(23.33,9.93) 23.32,9.92 U1.3 ; R5#5.1 44.84,44.24 44.43,44.65 U2#5.5 43.36,43.41 43.19,43.23 C5#3.1 43.19,40.91 ; 93.22,25.17 v1(88.16,25.17) 88.19,25.15 R1#6.1 ; 93.22,25.17 C5#5.1 93.22,27.49 93.39,27.67 U2#7.5 94.46,28.91 94.87,28.5 R5#11.1 ; 93.22,25.17 C2#11.1 ; U1#2.3 23.32,72.88 v1(23.33,72.89) ; U1#7.3 23.32,57.14 v1(23.33,57.15) ; C2#8.1 43.19,72.39 ; 43.19,72.39 v1(38.13,72.39) 38.16,72.37 R1#3.1 ; 43.19,72.39 C5#4.1 43.19,74.71 43.36,74.89 U2.5 44.43,76.13 44.84,75.72 R5#7.1 ; v1(73.36,9.93) 73.35,9.92 U1#11.3 ; 43.19,9.43 C5#12.1 43.19,11.75 43.36,11.93 U2#2.5 44.43,13.17 44.84,12.76 R5#12.1 ; 43.19,9.43 C2.1 ; 43.19,9.43 v1(38.13,9.43) 38.16,9.41 R1.1 ; R1#9.1 38.16,88.11 v1(38.13,88.13) 43.19,88.13 ; 46.22,91.46 44.84,91.46 44.43,91.87 U2#10.5 43.36,90.63 43.19,90.45 C5#10.1 43.19,88.13 ; C2#2.1 43.19,40.91 ; 43.19,40.91 v1(38.13,40.91) 38.16,40.89 R1#2.1 ; v1(73.36,72.89) 73.35,72.88 U1#12.3 ; R1#8.1 88.19,40.89 v1(88.16,40.91) 93.22,40.91 ; C2#6.1 43.19,88.13 ; C2#7.1 93.22,40.91 ; 93.22,40.91 C5#6.1 93.22,43.23 93.39,43.41 U2#8.5 94.46,44.65 94.87,44.24 R5#2.1 ; v1(73.36,41.41) 73.35,41.4 U1#5.3 ; U1#8.3 23.32,88.62 v1(23.33,88.63) ; U1#10.3 73.35,88.62 v1(73.36,88.63)
  Bottom w0.406: v1(23.33,9.93) 37.63,9.93 v1(38.13,9.43) ; v1(38.13,40.91) 37.63,41.41 v1(23.33,41.41) ; v1(38.13,72.39) 37.63,72.89 v1(23.33,72.89) ; v1(88.16,25.17) 87.66,25.67 v1(73.36,25.67) ; v1(23.33,25.67) 37.63,25.67 v1(38.13,25.17) ; v1(88.16,9.43) 87.66,9.93 v1(73.36,9.93) ; v1(73.36,72.89) 87.66,72.89 v1(88.16,72.39) ; v1(23.33,88.63) 37.63,88.63 v1(38.13,88.13) ; v1(88.16,40.91) 87.66,41.41 v1(73.36,41.41) ; v1(38.13,56.65) 37.63,57.15 v1(23.33,57.15) ; v1(73.36,57.15) 87.66,57.15 v1(88.16,56.65) ; v1(73.36,88.63) 87.66,88.63 v1(88.16,88.13)
GND: length 73.2
  Top w0.178: 39.34,12.42 v1(39.36,12.44) ; 22.12,41.15 v1(22.22,41.25) ; 20.77,9.62 U1.48 ; 72.15,41.15 v1(72.25,41.25) ; 20.77,88.32 U1#8.48 ; 89.37,28.16 v1(89.39,28.18) ; 39.34,28.16 v1(39.36,28.18) ; 72.15,9.67 v1(72.25,9.77) ; 89.37,59.64 v1(89.39,59.66) ; 72.15,25.41 v1(72.25,25.51) ; 39.34,59.64 v1(39.36,59.66) ; 22.12,72.63 v1(22.22,72.73) ; 72.15,72.63 v1(72.25,72.73) ; 70.8,88.32 U1#10.48 ; 72.15,56.89 v1(72.25,56.99) ; 70.8,25.36 U1#4.48 ; 70.8,72.58 U1#12.48 ; 20.77,41.1 U1#6.48 ; 70.8,41.1 U1#5.48 ; 20.77,56.84 U1#7.48 ; 22.12,88.37 v1(22.22,88.47) ; 89.37,43.9 v1(89.39,43.92) ; 89.37,12.42 v1(89.39,12.44) ; 89.37,75.38 v1(89.39,75.4) ; 39.34,75.38 v1(39.36,75.4) ; 22.12,9.67 v1(22.22,9.77) ; 22.12,25.41 v1(22.22,25.51) ; 72.15,88.37 v1(72.25,88.47) ; 20.77,25.36 U1#9.48 ; 22.12,56.89 v1(22.22,56.99) ; 20.77,72.58 U1#2.48 ; 39.34,91.12 v1(39.36,91.14) ; 70.8,56.84 U1#3.48 ; 39.34,43.9 v1(39.36,43.92) ; 70.8,9.62 U1#11.48 ; 89.37,91.12 v1(89.39,91.14)
  Top w0.406: U1#6.14 29.99,42.75 v1(29.63,43.11) ; v1(77.71,89.61) 78.21,89.61 79.75,88.08 U1#10.11 ; U1#2.11 29.72,72.34 28.18,73.87 v1(27.68,73.87) ; v1(29.63,11.63) 29.99,11.27 U1.14 ; U1#4.11 79.75,25.12 78.21,26.65 v1(77.71,26.65) ; U1#11.11 79.75,9.38 78.21,10.91 v1(77.71,10.91) ; U1#7.14 29.99,58.49 v1(29.63,58.85) ; v1(77.71,42.39) 78.21,42.39 79.75,40.86 U1#5.11 ; v1(79.66,27.37) 80.02,27.01 U1#4.14 ; U1#11.14 80.02,11.27 v1(79.66,11.63) ; U1#8.11 29.72,88.08 28.18,89.61 v1(27.68,89.61) ; v1(27.68,10.91) 28.18,10.91 29.72,9.38 U1.11 ; v1(79.66,90.33) 80.02,89.97 U1#10.14 ; v1(77.71,58.13) 78.21,58.13 79.75,56.6 U1#3.11 ; v1(29.63,74.59) 29.99,74.23 U1#2.14 ; v1(77.71,73.87) 78.21,73.87 79.75,72.34 U1#12.11 ; U1#8.14 29.99,89.97 v1(29.63,90.33) ; U1#9.11 29.72,25.12 28.18,26.65 v1(27.68,26.65) ; U1#12.14 80.02,74.23 v1(79.66,74.59) ; v1(27.68,42.39) 28.18,42.39 29.72,40.86 U1#6.11 ; U1#7.11 29.72,56.6 28.18,58.13 v1(27.68,58.13) ; v1(79.66,58.85) 80.02,58.49 U1#3.14 ; U1#9.14 29.99,27.01 v1(29.63,27.37) ; U1#5.14 80.02,42.75 v1(79.66,43.11)
  Top w0.559: U2#3.2 v1(42.41,64.23) ; U2#5.2 v1(42.41,48.49) ; U2#6.2 v1(92.44,17.01) ; U2#8.2 v1(92.44,48.49) ; U2.2 v1(42.41,79.97) ; U2#10.2 v1(42.41,95.71) ; U2#9.2 v1(92.44,64.23) ; U2#7.2 v1(92.44,32.75) ; U2#2.2 v1(42.41,17.01) ; U2#11.2 v1(92.44,79.97) ; U2#4.2 v1(42.41,32.75) ; U2#12.2 v1(92.44,95.71)
  vias: v1(21.84,98) v1(21.84,82.26) v1(21.84,66.52) v1(21.84,50.78) v1(21.84,35.04) v1(21.84,19.3) v1(22.22,95.2) v1(22.22,93.93) v1(22.22,89.74) v1(22.22,79.46) v1(22.22,78.19) v1(22.22,74) v1(22.22,63.72) v1(22.22,62.45) v1(22.22,58.26) v1(22.22,47.98) v1(22.22,46.71) v1(22.22,42.52) v1(22.22,32.24) v1(22.22,30.97) v1(22.22,26.78) v1(22.22,16.5) v1(22.22,15.23) v1(22.22,11.04) v1(23.74,89.74) v1(23.74,74) v1(23.74,58.26) v1(23.74,42.52) v1(23.74,26.78) v1(23.74,11.04) v1(24.43,96.43) v1(24.43,80.69) v1(24.43,64.95) v1(24.43,49.21) v1(24.43,33.47) v1(24.43,17.73) v1(25.77,89.74) v1(25.77,74) v1(25.77,58.26) v1(25.77,42.52) v1(25.77,26.78) v1(25.77,11.04) v1(28.13,96.6) v1(28.13,80.86) v1(28.13,65.12) v1(28.13,49.38) v1(28.13,33.64) v1(28.13,17.9) v1(35.55,89.36) v1(35.55,73.62) v1(35.55,57.88) v1(35.55,42.14) v1(35.55,26.4) v1(35.55,10.66) v1(40.25,89.36) v1(40.25,86.82) v1(40.25,73.62) v1(40.25,71.08) v1(40.25,57.88) v1(40.25,55.34) v1(40.25,42.14) v1(40.25,39.6) v1(40.25,26.4) v1(40.25,23.86) v1(40.25,10.66) v1(40.25,8.12) v1(40.38,99.52) v1(40.38,83.78) v1(40.38,68.04) v1(40.38,52.3) v1(40.38,36.56) v1(40.38,20.82) v1(44.31,99.52) v1(44.31,86.82) v1(44.31,83.78) v1(44.31,71.08) v1(44.31,68.04) v1(44.31,55.34) v1(44.31,52.3) v1(44.31,39.6) v1(44.31,36.56) v1(44.31,23.86) v1(44.31,20.82) v1(44.31,8.12) v1(52.06,86.82) v1(52.06,71.08) v1(52.06,55.34) v1(52.06,39.6) v1(52.06,23.86) v1(52.06,8.12) v1(71.87,98) v1(71.87,82.26) v1(71.87,66.52) v1(71.87,50.78) v1(71.87,35.04) v1(71.87,19.3) v1(72.25,95.2) v1(72.25,93.93) v1(72.25,89.74) v1(72.25,79.46) v1(72.25,78.19) v1(72.25,74) v1(72.25,63.72) v1(72.25,62.45) v1(72.25,58.26) v1(72.25,47.98) v1(72.25,46.71) v1(72.25,42.52) v1(72.25,32.24) v1(72.25,30.97) v1(72.25,26.78) v1(72.25,16.5) v1(72.25,15.23) v1(72.25,11.04) v1(73.77,89.74) v1(73.77,74) v1(73.77,58.26) v1(73.77,42.52) v1(73.77,26.78) v1(73.77,11.04) v1(74.46,96.43) v1(74.46,80.69) v1(74.46,64.95) v1(74.46,49.21) v1(74.46,33.47) v1(74.46,17.73) v1(75.8,89.74) v1(75.8,74) v1(75.8,58.26) v1(75.8,42.52) v1(75.8,26.78) v1(75.8,11.04) v1(78.16,96.6) v1(78.16,80.86) v1(78.16,65.12) v1(78.16,49.38) v1(78.16,33.64) v1(78.16,17.9) v1(85.58,89.36) v1(85.58,73.62) v1(85.58,57.88) v1(85.58,42.14) v1(85.58,26.4) v1(85.58,10.66) v1(90.28,89.36) v1(90.28,86.82) v1(90.28,73.62) v1(90.28,71.08) v1(90.28,57.88) v1(90.28,55.34) v1(90.28,42.14) v1(90.28,39.6) v1(90.28,26.4) v1(90.28,23.86) v1(90.28,10.66) v1(90.28,8.12) v1(90.41,99.52) v1(90.41,83.78) v1(90.41,68.04) v1(90.41,52.3) v1(90.41,36.56) v1(90.41,20.82) v1(94.34,99.52) v1(94.34,86.82) v1(94.34,83.78) v1(94.34,71.08) v1(94.34,68.04) v1(94.34,55.34) v1(94.34,52.3) v1(94.34,39.6) v1(94.34,36.56) v1(94.34,23.86) v1(94.34,20.82) v1(94.34,8.12) v1(102.09,86.82) v1(102.09,71.08) v1(102.09,55.34) v1(102.09,39.6) v1(102.09,23.86) v1(102.09,8.12)
